# Altium PCB Carte_Alim_2019.PcbDoc (part 2 of 2) (continued)
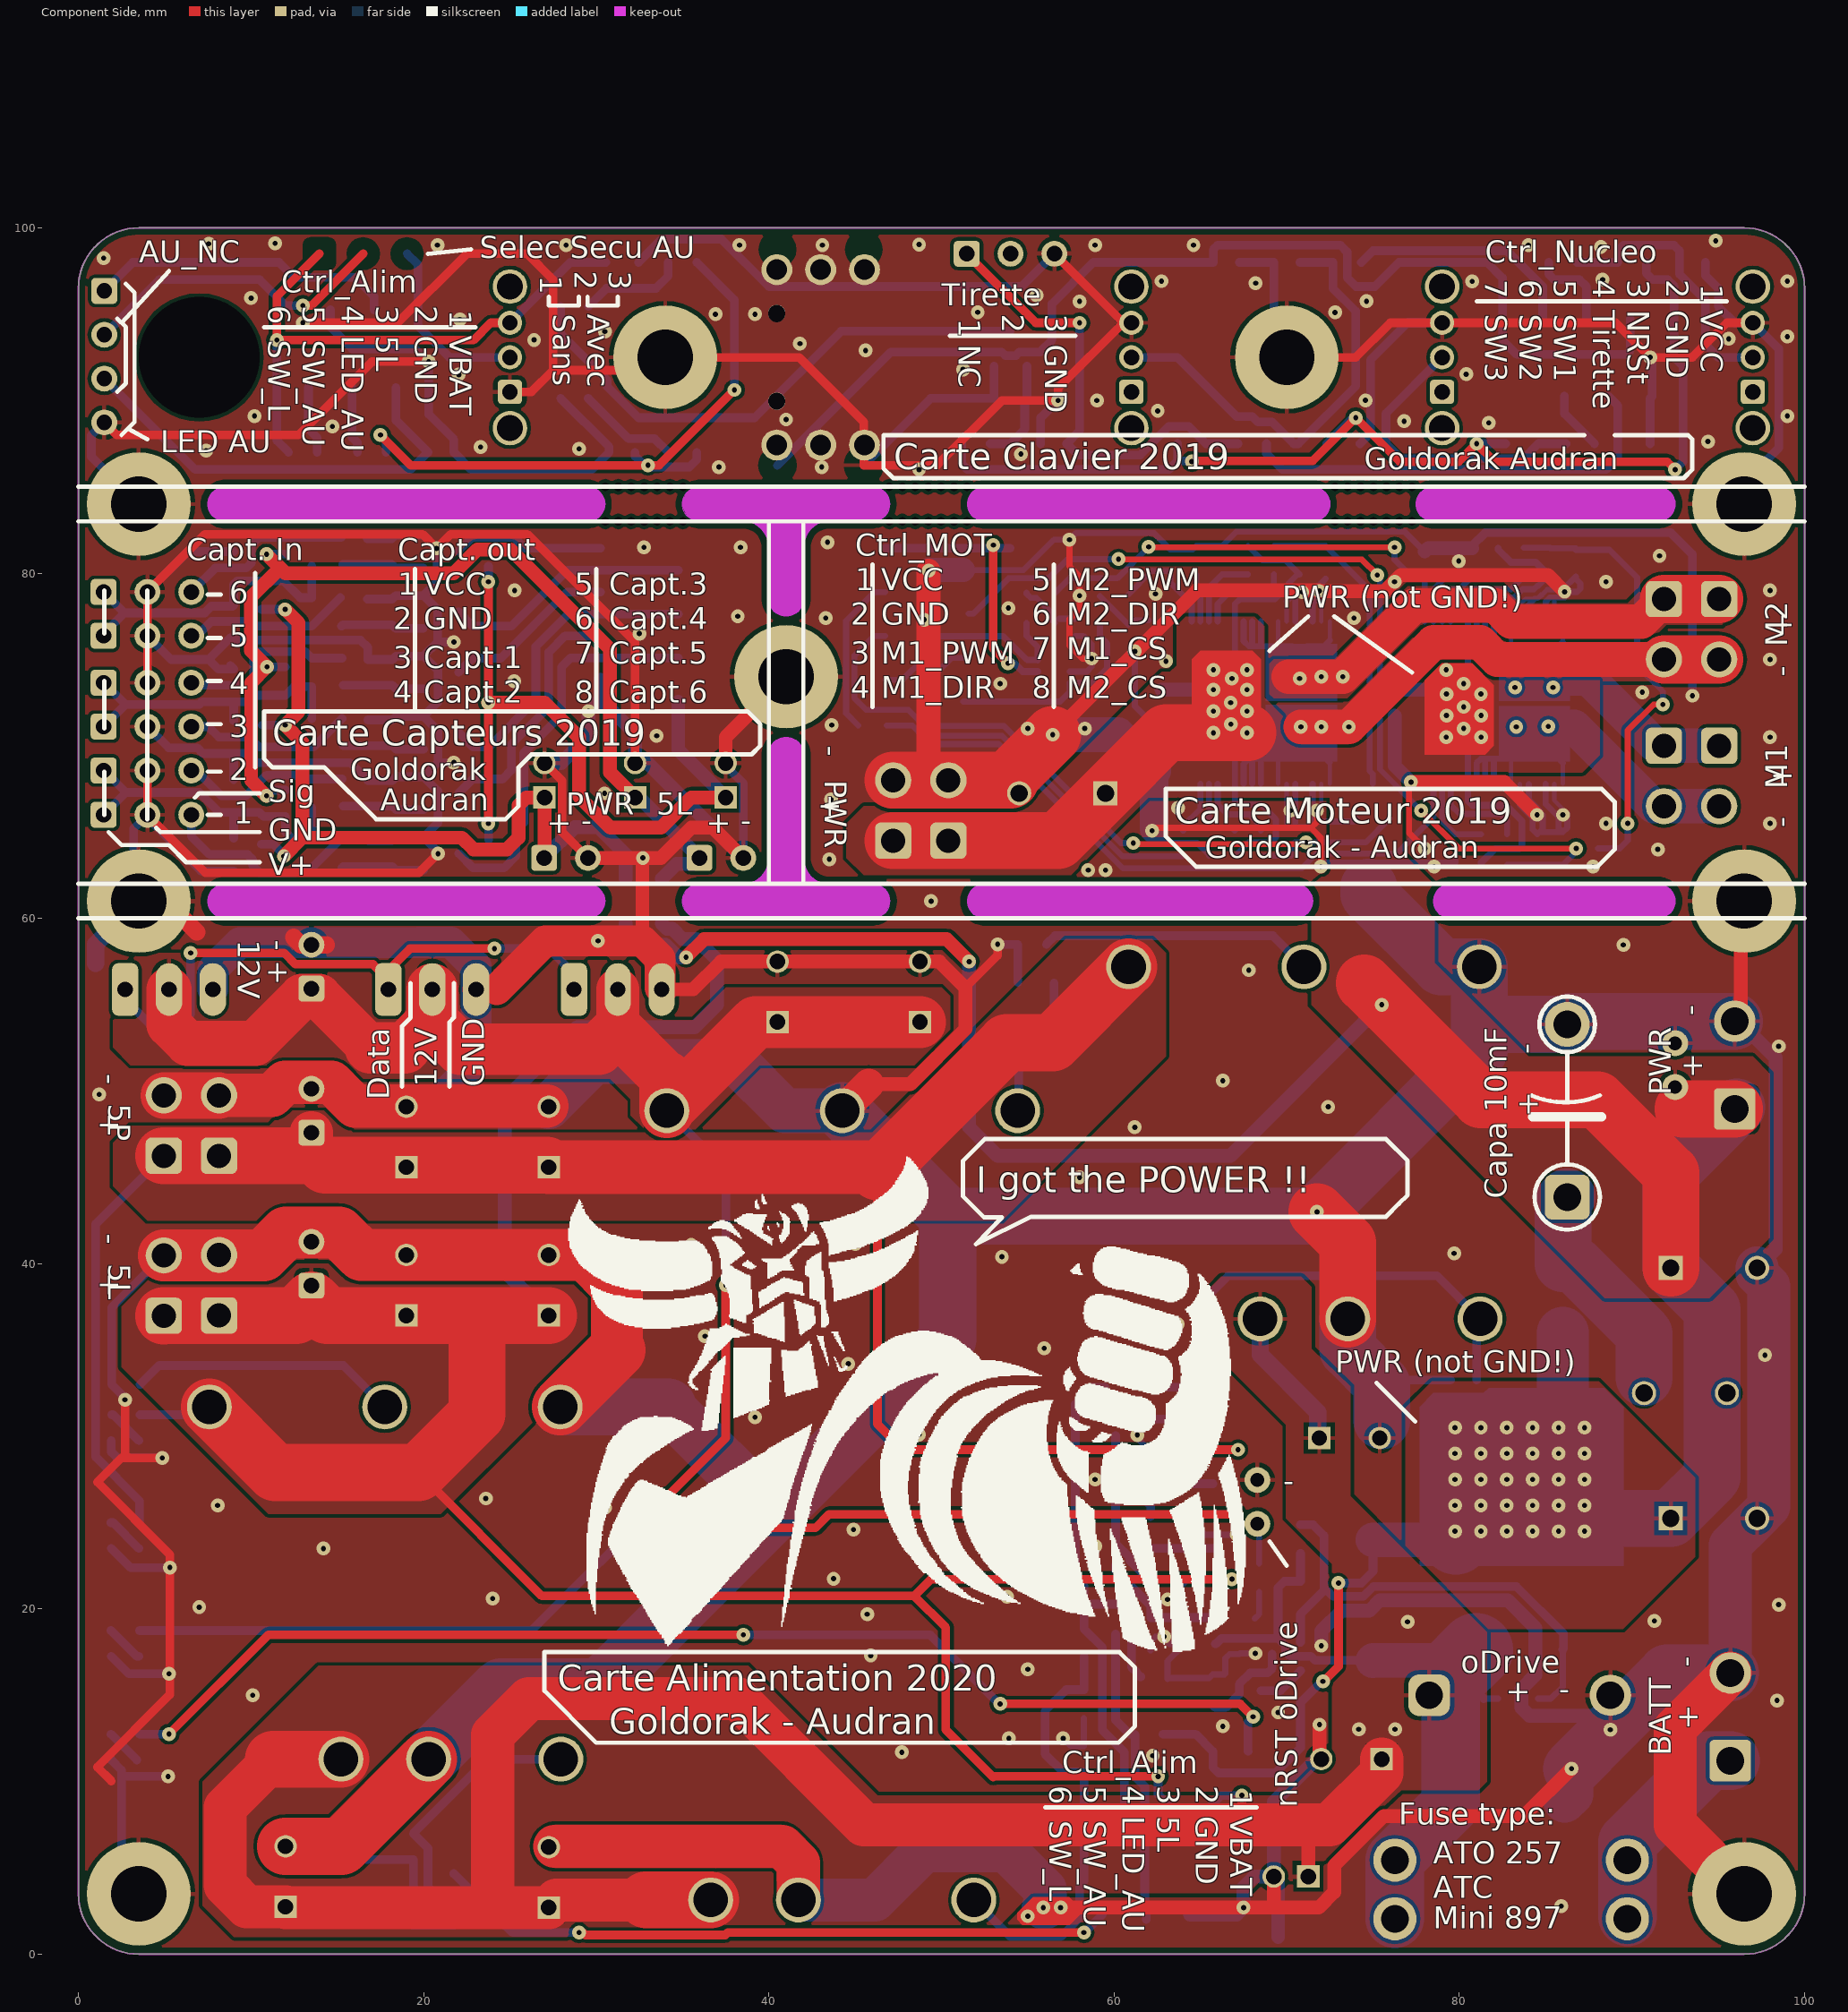
[diagram p0: Component Side view]
## Nets (pads, with @x,y where several pads share a name; then routed paths per layer and width w, separated by ;. In a path a pad name is that pad's centre, name@x,y a point inside that pad or via, vN(x,y) a via of type N, cw(c..) or ccw(c..) an arc to the next point about the centre after c; other vN are vias at no path point) (continued)
NetC38_1: C38.1 Q14.1 R73.2 R76.2 | length 4.7
  Solder Side w0.5: R73.2@15.345,66.5 C38.1@16.77,66.5 18.195,66.5 R76.2@18.27,66.425 18.397,66.297 Q14.1@20.004,66.297
NetC39_1: C39.1 Q15.1 R74.2 R77.2 | length 4.7
  Solder Side w0.5: R74.2@15.345,73.5 C39.1@16.77,73.5 18.195,73.5 R77.2@18.27,73.425 18.398,73.297 Q15.1@20.004,73.297
NetC40_1: C40.1 Q16.1 R75.2 R78.2 | length 4.7
  Solder Side w0.5: R75.2@15.305,80.5 C40.1@16.73,80.5 18.155,80.5 R78.2@18.23,80.425 18.358,80.297 Q16.1@19.964,80.297
NetC44_1: C44.1 R79.1 R82.1 S1.2 | length 16
  Solder Side w0.5: R82.1@86.825,98 R79.1@89.175,98 89.175,98.675 89.5,99 92.425,99 92.75,98.675 C44.1@92.75,98 92.75,97.325 94.25,95.825 94.25,93.255 95.005,92.5 S1.2@97,92.5
NetC45_1: C45.1 R80.1 R83.1 S2.2 | length 17.5
  Solder Side w0.5: S2.2@79,92.5 75.75,89.25 C45.1@75.75,87.5 76.623,86.627 83.702,86.627 84.575,87.5 R83.1@86.175,87.5
NetC46_1: C46.1 R81.1 R84.1 S3.2 | length 26.1
  Solder Side w0.5: S3.2@61,92.5 63.675,92.5 67.101,89.074 68,89.074 68.324,88.75 69.154,88.75 70.404,87.5 R81.1@70.675,87.5 74,90.825 74,95.175 72.675,96.5 R84.1@72.675,98 C46.1@70.75,98
NetC48_1: C48.1 J29.3 R89.1 R90.1 | length 26.8
  Component Side w0.5: 51.46,98.5 55.46,94.5 v1(58,94.5)
  Solder Side w0.5: v1(58,94.5) 58,88.25 C48.1@57.25,87.5 57.904,86.846 61.522,86.846 63.176,88.5 64.325,88.5 R89.1@65.325,87.5 R90.1@67.175,87.5
NetD1_2: D1.2 R7.1 | length 2.1
  Solder Side w0.5: R7.1@1.885,12.75 D1.2@3.385,11.25
NetD3_2: D3.2 R17.1 | length 2.2
  Solder Side w0.5: R17.1@1.885,18.75 3.385,17.25 D3.2@3.51,17.25
NetD5_2: D5.2 R21.2 | length 2.2
  Solder Side w0.5: R21.2@1.885,25 2.01,25 D5.2@3.51,23.5
NetD7_2: D7.2 R24.2 | length 2.2
  Solder Side w0.5: R24.2@1.925,31.25 2.01,31.25 D7.2@3.51,29.75
NetD11_2: D11.2 R86.2 | length 5.9
  Solder Side w0.5: D11.2@29.534,90.125 31.865,87.795 33.38,87.795 R86.2@34.175,87
NetDC1_6: DC1.6 R18.1 | length 4.3
  Solder Side w0.5: DC1.6@54.475,48.925 R18.1@54.475,53.25
NetDC2_4: DC2.4 R22.1 | length 15.9
  Solder Side w0.5: R22.1@56.075,58.5 56.575,59 69.2,59 DC2.4@71,57.2
NetDC3_4: DC3.4 R25.1 | length 15.6
  Solder Side w0.5: R25.1@3.575,33 4.675,34.1 15.35,34.1 DC3.4@17.75,31.7
NetJ19_3: J19.3 R58.1 R61.1 | length 11.7
  Solder Side w0.5: J19.3@6.54,66 6.54,64.76 7.6,63.7 9.8,63.7 10.1,63.4 10.1,63.05 10.5,62.65 12.55,62.65 12.825,62.925 R58.1@13.52,62.925 R61.1@15.17,64.575
NetJ20_3: J20.3 R59.1 R62.1 | length 9.9
  Solder Side w0.5: J20.3@6.54,71.11 7.524,71.11 8.134,70.5 9.9,70.5 10.475,69.925 R59.1@13.52,69.925 13.62,69.925 R62.1@15.27,71.575
NetJ21_3: J21.3 R60.1 R63.1 | length 9.8
  Solder Side w0.5: J21.3@6.54,76.37 6.873,76.37 7.703,77.2 9.8,77.2 10.075,76.925 R60.1@13.52,76.925 R63.1@15.17,78.575
NetJ22_3: J22.3 R70.1 R73.1 | length 9.9
  Solder Side w0.5: J22.3@6.54,68.57 6.83,68.57 8.3,67.1 9.7,67.1 10.9,68.3 12.6,68.3 12.825,68.075 R70.1@13.52,68.075 R73.1@15.27,68.075
NetJ23_3: J23.3 R71.1 R74.1 | length 10.6
  Solder Side w0.5: J23.3@6.54,73.65 6.686,73.504 9.842,73.504 9.89,73.552 9.903,73.552 10.148,73.797 10.148,75.248 10.35,75.45 13.145,75.45 R71.1@13.52,75.075 R74.1@15.27,75.075
NetJ24_3: J24.3 R72.1 R75.1 | length 10.6
  Solder Side w0.5: J24.3@6.54,78.91 7.927,80.297 9.734,80.297 10.027,80.59 10.027,81.627 10.475,82.075 R72.1@13.52,82.075 R75.1@15.23,82.075
NetQ2_3: Q2.3 R4.2 | length 2.8
  Solder Side w0.5: Q2.3@68.516,15.263 69.638,15.263 R4.2@70.8,16.425
NetQ3_1: Q3.1 R10.1 R14.2 | length 3.6
  Solder Side w0.5: Q3.1@62.116,31.003 R10.1@65.722,31.003
NetQ3_3: Q3.3 Q4.2 | length 5.5
  Solder Side w0.5: Q3.3@60.084,30.037 60.084,28.657 61.289,27.453 61.289,26.814 62.116,25.987 Q4.2@62.116,25.348
NetQ4_1: Q4.1 R11.1 R15.2 | length 3.6
  Solder Side w0.5: Q4.1@62.116,27.253 R11.1@65.722,27.253
NetQ4_3: Q4.3 Q5.2 | length 5.5
  Solder Side w0.5: Q4.3@60.084,26.287 60.084,23.791 60.56,23.314 60.573,23.314 60.911,22.976 60.911,22.802 Q5.2@62.116,21.598
NetQ5_1: Q5.1 R12.1 R16.2 | length 3.6
  Solder Side w0.5: Q5.1@62.116,23.503 R12.1@65.722,23.503
NetQ5_3: Q5.3 Q6.1 R8.1 R13.2 | length 7.5
  Solder Side w0.5: Q5.3@60.084,22.537 60.084,22.233 62.116,20.201 Q6.1@62.116,19.502 R8.1@65.728,19.502
NetQ7_15: Q7.15 R33.2 | length 5.7
  Solder Side w0.35: 79.5,66.547 Q7.15@79.5,67.8 ; 79.516,66.547 80.018,66.045 82.368,66.045 82.766,65.648 R33.2@82.766,64.872
NetQ7_16: Q7.16 R37.1 R41.2 | length 4.7
  Solder Side w0.35: Q7.16@79,67.8 79,65.638 R41.2@79.766,64.872 R37.1@81.266,64.872
NetQ7_17: Q7.17 R29.2 | length 38.3
  Solder Side w0.35: R29.2@46.825,71.175 48.312,71.175 49.386,70.102 53.309,70.102 60.51,62.9 70.874,62.9 71.732,63.758 76.368,63.758 78.516,65.906 ; 78.5,65.906 Q7.17@78.5,67.8
NetQ7_20: Q7.20 R27.2 | length 2.9
  Solder Side w0.35: Q7.20@78.5,77.2 78.5,79.059 R27.2@79.241,79.8
NetQ7_21: Q7.21 R38.1 R42.2 | length 5.3
  Solder Side w0.35: Q7.21@79,77.2 79,78.816 79.257,79.073 79.998,79.073 80.725,79.8 R42.2@80.741,79.8 R38.1@82.241,79.8
NetQ7_22: Q7.22 R35.2 | length 6
  Solder Side w0.35: Q7.22@79.5,77.2 79.5,78.3 79.702,78.502 80.102,78.502 80.673,79.073 82.999,79.073 R35.2@83.741,79.815
NetQ8_15: Q8.15 R34.2 | length 4.5
  Solder Side w0.35: Q8.15@66,67.8 66,66.6 66.577,66.023 67.836,66.023 68.5,65.359 R34.2@68.5,65.277 R34.2@68.5,65.075
NetQ8_16: Q8.16 R39.1 R43.2 | length 4.1
  Solder Side w0.35: Q8.16@65.5,67.8 R43.2@65.5,65.277 65.5,65.25 66.825,65.25 R39.1@67,65.075
NetQ8_17: Q8.17 R31.2 | length 3.1
  Solder Side w0.35: R31.2@64,65.075 R31.2@64,65.277 64,65.348 65,66.348 Q8.17@65,67.8
NetQ8_20: Q8.20 R28.2 | length 2.8
  Solder Side w0.35: R28.2@64.75,79.925 64.75,78.966 65,78.716 Q8.20@65,77.2
NetQ8_21: Q8.21 R40.1 R44.2 | length 4.5
  Solder Side w0.35: Q8.21@65.5,77.2 65.5,79.175 R44.2@66.25,79.925 R40.1@67.75,79.925
NetQ8_22: Q8.22 R36.2 | length 5.4
  Solder Side w0.35: Q8.22@66,77.2 66,78.212 66.765,78.977 68.977,78.977 69.25,79.25 R36.2@69.25,79.925
NetQ17_1: Q17.1 R87.2 R88.2 | length 5.9
  Solder Side w0.5: R87.2@52.825,87.5 53.987,87.5 54.825,88.338 R88.2@54.825,90 ; R88.2@54.952,90.128 Q17.1@54.952,91.984
NetQ17_3: Q17.3 S4.2 | length 31.9
  Solder Side w0.5: 27.95,95.456 27.95,93.846 30.623,91.173 30.623,90.823 32.446,89 39.171,89 44.187,94.016 Q17.3@53.987,94.016
NetQ18_3: Q18.3 R91.1 | length 1.6
  Solder Side w0.35: Q18.3@68.156,19.444 68.4,19.688 R91.1@68.4,20.975
NetQ19_1: Q19.1 R102.1 R103.2
NetR6_2: R6.2 R7.2 | length 71
  Component Side w0.5: v1(5.25,12.75) 11,18.5 v1(38.52,18.5) ; v1(53.4,14.5) 67.306,14.5 v1(68.056,13.75)
  Solder Side w0.5: R7.2@3.535,12.75 v1(5.25,12.75) ; v1(38.52,18.5) 49.35,18.5 53.35,14.5 v1(53.4,14.5) ; R6.2@67.775,11.75 67.75,11.775 67.75,13.444 v1(68.056,13.75)
NetR18_2: R18.2 R19.1 | length 3
  Solder Side w0.5: R18.2@56.525,53.25 R19.1@56.525,56.25
NetR85_2: R85.2 S4.1 | length 6.1
  Solder Side w0.5: 29.55,95.456 30.594,96.5 33.463,96.5 34.175,97.212 R85.2@34.175,98
NRST_NUCLEO: C47.1 J27.3 S4.B | length 65.2
  Solder Side w0.5: 40.5,86.25 47.061,92.811 53.486,92.811 53.697,92.6 54.302,92.6 54.513,92.811 55.711,92.811 56.4,93.5 56.4,95.6 58.8,98 C47.1@65.75,98 65.75,98.75 66,99 73.108,99 73.5,98.608 73.5,97.117 74.017,96.6 75.1,96.6 76.5,98 81.6,98 82.5,97.1 82.5,93.5 83.329,92.671 89.671,92.671 89.905,92.905 J27.3@89.905,94.75
nRST_oDrive: J36.1 R91.2 | length 2.2
  Solder Side w0.35: R91.2@68.4,22.625 J36.1@68.4,24.83
PWR: C6.1 C7.1 C20.1 C21.2 C22.2 D12.2 D13.1 FB7.1 J2.1 J12.1 J33.1 J37.1 Q1.4 Q7.13 Q7.24 Q7.37 Q8.13 Q8.24 Q8.37 R2.1 R6.1 R9.2 R37.2 R38.2 R39.2 R40.2 R47.2 R48.2 | length 253.7
  Component Side w0.5: v1(72.1,15.8) 72.125,15.8 73,16.675 v1(73,21.5)
  Component Side w0.8: v1(35.199,57.75) 36.249,58.8 50.3,58.8 v1(51.6,57.5)
  Component Side w3.3: J33.1@47.2,64.5 J12.1@50.4,64.5 56.75,64.5 C20.1@59.5,67.25 63,70.75 v1(65.75,70.75) v1(67.698,70.75) v1@67.75,70.75 ; 74.5,56.25 81.25,49.5 88,49.5 92.25,45.25 C7.1@92.25,39.75 ; 92.96,48.96 J2.1@95.95,48.96
  Solder Side w0.35: R39.2@67,63.628 67.772,64.4 69.1,64.4 69.375,64.675 69.375,64.696 69.374,64.697 69.374,65.731 68.507,66.598 68.302,66.598 68.3,66.6 68.2,66.6 68.198,66.598 67.802,66.598 67.8,66.6 67.7,66.6 67.698,66.598 67.177,66.598 67,66.775 Q8.13@67,67.8 Q8.37@67,72.25 ; Q8.37@67,72.75 Q8.24@67,77.2 67,78.212 67.288,78.5 69.325,78.5 70.125,79.3 70.125,79.421 70.629,79.925 R48.2@70.75,79.925 69.925,80.75 68.575,80.75 R40.2@67.75,81.575 ; 80.5,66.798 Q7.13@80.5,67.8 Q7.37@80.5,72.25 ; Q7.37@80.5,72.75 Q7.24@80.5,77.2 80.5,78.2 80.896,78.596 83.197,78.596 83.667,79.066 84.319,79.066 84.518,79.265 84.565,79.265 85.115,79.815 R47.2@85.241,79.815
  Solder Side w0.4: 80.516,66.798 80.766,66.547 82.708,66.547 83.616,65.64 83.616,64.182 83.482,64.047 82.091,64.047 R37.2@81.266,63.222 ; R38.2@82.241,81.45 82.241,81.375 82.991,80.625 84.431,80.625 R47.2@85.241,79.815
  Solder Side w0.5: R9.2@62.825,12.75 64.725,12.75 R6.1@65.725,11.75 65.725,10.825 66.05,10.5 69.35,10.5 70.8,11.95 70.8,14.581 72.019,15.8 v1(72.1,15.8) ; v1(73,21.5) 74.325,21.5 75,22.175 D13.1@75,24
  Solder Side w0.8: FB7.1@31.7,59.7 31.7,58.7 31.93,58.47 34.025,58.47 34.745,57.75 v1(35.199,57.75) ; v1(51.6,57.5) 51.6,47.9 53.25,46.25 66.75,46.25 v1(75.5,55) ; C22.2@62.75,73.25 v1(65.75,73.25) Q8.37@66,73.25 ; C21.2@76.265,73.25 Q7.37@79.5,73.25 ; J37.1@92.5,50.23 92.5,48.86 94.165,47.195 94.165,47.175
  Solder Side w2: D13.1@75,24 Q1.4@79.8,24
  Solder Side w3: Q1.4@84.75,29.2 86,30.45 D12.2@86,36
  Solder Side w3.3: Q1.4@85.7,25.25 C6.1@92.25,25.25 ; C6.1@92.39,25.39 94.65,27.65 94.65,37.35 C7.1@92.25,39.75 92.25,45.26 94.165,47.175 J2.1@95.95,48.96 J2.1@96.075,49.085
  Solder Side w4: Q1.4@79.8,24 Q1.4@83.5,27.7
  other v1: 79.75,24.5 81.25,24.5 82.75,24.5 84.25,24.5 85.75,24.5 87.25,24.5 79.75,26 81.25,26 82.75,26 84.25,26 85.75,26 87.25,26 79.75,27.5 81.25,27.5 82.75,27.5 84.25,27.5 85.75,27.5 87.25,27.5 79.75,29 81.25,29 82.75,29 84.25,29 85.75,29 87.25,29 79.75,30.5 81.25,30.5 82.75,30.5 84.25,30.5 85.75,30.5 87.25,30.5 79.241,70.5 81.266,70.5 80.25,71 66.765,71.25 79.257,71.75 81.266,71.75 65.75,72 67.698,72 80.25,72.25 66.75,72.5 79.257,73 81.25,73 67.7,73.25 80.25,73.599 66.825,73.9 65.75,74.396 67.698,74.396 79.241,74.396
PWR_CAP: C27.1 FB7.2 J17.1 R93.1 R95.1 R97.1 | length 47.8
  Component Side w0.8: v1(11.9,63.6) 12.975,64.675 ; v1(11.975,77.9) 12.75,77.125 12.75,71.975 v1(11.975,71.2) 12.975,70.2 12.975,64.675 ; J17.1@26.98,63.5 27,63.52 C27.1@27,67 25.95,67 25.5,66.55 25.5,64.675 24.825,64 22.886,64 22.209,64.677 12.977,64.677 12.975,64.675
  Solder Side w0.5: R93.1@10.6,64.3 11.3,64.3 11.9,63.7 v1(11.9,63.6) ; R97.1@10.6,77.9 v1(11.975,77.9) ; R95.1@10.65,71.2 v1(11.975,71.2)
  Solder Side w0.8: J17.1@26.98,63.5 28.757,65.277 30.133,65.277 31.7,63.71 FB7.2@31.7,62.3
SR_OD: C49.2 Q2.1 Q18.1 R3.2 R5.1 | length 9.7
  Solder Side w0.5: R3.2@61.625,14.5 63.3,14.5 64.9,14.5 65.647,14.5 65.85,14.297 Q2.1@66.484,14.298 67.25,15.064 67.25,15.65 67.89,16.29 68.89,16.29 69.153,16.553 Q18.1@69.153,17.38
SW_1: J27.5 R82.2 | length 5
  Solder Side w0.5: R82.2@85.175,98 85.175,97.325 85.5,97 86.965,97 87.365,96.6 J27.5@87.365,94.75
SW_2: J27.6 R83.2 | length 3.5
  Solder Side w0.5: J27.6@86.095,90.25 86.095,89.23 R83.2@87.825,87.5
SW_3: J27.7 R84.2 | length 13.5
  Solder Side w0.5: R84.2@74.325,98 75,98.675 82.75,98.675 84.825,96.6 J27.7@84.825,94.75
SW_AU: C50.1 D2.1 D4.1 J3.5 J26.5 J28.1 R3.1 R102.2 | length 61
  Solder Side w0.5: J28.1@1.5,91.27 6.77,86 19.25,86 C50.1@20.25,87 18.405,88.845 J26.5@18.405,90.75 ; D4.1@59.475,32.85 58.75,32.85 57.75,31.85 57.75,21.834 58.25,21.334 D2.1@58.25,20.275 ; J3.5@60.595,6.8 60.595,11.705 59.325,12.975 59.325,17.775 58.25,18.85 D2.1@58.25,20.275 ; R3.1@61.55,16.075 61.5,16.075 61.325,16.25 61.325,16.3 61,16.625 61,19.495 60.22,20.275 D2.1@58.25,20.275
SW_L: D6.1 J3.6 J26.6 R101.1 S5.2 | length 49.8
  Component Side w0.5: v1@29.223,1.25 29.36,1.113 37.47,1.113 37.607,1.25 v1(58.25,1.25)
  Solder Side w0.5: 19.04,98.5 19.675,97.865 J26.6@19.675,95.25 19.675,94.325 21.5,92.5 S5.2@25,92.5 ; D6.1@21.75,4.665 25.165,1.25 v1(29,1.25) ; v1(58.25,1.25) 58.275,1.25 J3.6@59.325,2.3
SW_TIRETTE: J27.4 R90.2 | length 25.4
  Solder Side w0.5: R90.2@68.825,87.5 68.825,86.925 69.75,86 88.5,86 89.175,86.675 89.175,89.71 J27.4@88.635,90.25
VBATT: C1.2 C2.1 C3.1 C4.2 C8.1 C12.1 C16.1 D13.2 DC1.1 DC2.1 DC3.1 DT2.2 F1.2 F1.4 J3.1 J26.1 pad.0@78.25,15 Q1.3 R1.2 R8.2 R98.1 Z1.2 | length 170
  Component Side w0.5: 67.4,7.5 v1(67.4,9.2)
  Component Side w0.8: C3.1@71.25,4.5 71.25,6.25
  Component Side w2.5: 11.3,11.3 8.5,8.5 8.5,4 9.75,2.75 C16.1@12,2.75 ; C16.1@12,2.7 23.7,2.7 ; 32.9,3.14 27.69,3.14 C8.1@27.25,2.7 23.7,2.7 ; C2.1@75.5,11.3 75.5,10.5 72.5,7.5 67.4,7.5 45.5,7.5 38.2,14.8 26.1,14.8 24,12.7 24,3 23.7,2.7
  Component Side w3.3: 11.3,11.3 DC3.1@15.21,11.3 ; 32.9,3.14 DC1.1@36.63,3.14
  Solder Side w0.35: 81.423,14.8 Z1.2@82.25,14.8
  Solder Side w0.5: J26.1@13.325,90.75 13.325,88.358 13.825,87.858 R98.1@13.825,87 ; J3.1@65.675,6.8 65.675,8.658 66.217,9.2 v1(67.4,9.2) ; R8.2@65.85,17.975 65.9,17.975 66.225,18.3 69.498,18.3 ; C1.2@70.772,21.6 70.772,21.598 69.863,21.598 69.498,21.233 69.498,18.3 ; C1.2@70.8,21.6 R1.2@70.8,23.225 ; D13.2@74.5,17.014 71.644,17.014 71.408,17.25 70.192,17.25 69.93,17.512 69.93,17.869 69.498,18.3 ; Q1.3@80.96,17.6 80.96,15.263 81.423,14.8
  Solder Side w1: DC2.1@68.46,36.8 68.46,34.736 71.79,31.406 C12.1@71.79,29.9
  Solder Side w2: D13.2@75,17 75.025,17.025 78.615,17.025 79.5,16.14
  Solder Side w3.4: F1.4@76.265,2.05 F1.2@76.265,5.45 79.5,8.685 DT2.2@79.5,10.75 79.5,16.14
  Solder Side w4.3: 79.5,16.14 Q1.3@80.96,17.6
  other v1: 74.175,13.025 76.275,13.025 77,19.25
VBATT_CLAV: C42.2 R98.2 R100.1 S5.3 | length 33.7
  Component Side w0.5: 13.96,98.5 11.5,96.04 v1(11.5,93.5) 22.892,93.5 23.892,94.5 S5.3@25,94.5
  Solder Side w0.5: v1(11.5,93.5) 11.5,87.675 R98.2@12.175,87 ; S5.3@25,94.5 28.5,98 C42.2@30.55,98
pads on no net: D14.1 D14.4 Q7.1 Q7.5 Q7.9 Q7.14 Q7.18 Q7.23 Q7.28 Q7.32 Q7.36 Q8.1 Q8.5 Q8.9 Q8.14 Q8.18 Q8.23 Q8.28 Q8.32 Q8.36 S1.1 S1.None S2.1 S2.None S3.1 S3.None S4.3 S4.4 S4.MH1 S4.MH2 S5.None

## Polygon pours and split planes (outlines as drawn)
GND on Solder Side "GND_Bot" (solid, pour order 46): 100,0 0,0 0,100 100,100
MOT1_P on Solder Side "MOT1_P_bot" (solid, pour order 44): 83,72.5 82.5,72.5 82.25,72.75 82.25,75 82,75.25 81.5,75.25 81,75.25 80.75,75.5 80.75,78.25 83.25,78.25 83.25,76.25 85.707,76.25 85.707,78.25 86.25,78.25 86.5,78 86.5,76 88,74.5 88,72.5 82.5,72.5
MOT2_N on Solder Side "MOT2_N_bot" (solid, pour order 41): 69.5,72.5 69,72.5 68.75,72.25 68.75,70 68.5,69.75 68,69.75 67.5,69.75 67.25,69.5 67.25,66.75 69.75,66.75 69.75,68.75 72.207,68.75 72.207,66.75 72.75,66.75 73,67 73,69 74.5,70.5 74.5,72.5 69,72.5
PWR on Solder Side "PWR_1" (solid, pour order 32): 98.25,51.25 87.485,51.25 81.25,45.015 81.25,40 81.25,35.275 72.6,26.625 72.6,21.263 73.894,19.97 89.397,19.97 97.927,28.5 98.25,28.823
VBATT on Solder Side "VBATT_1" (solid, pour order 31): 69.952,0 84.61,0 84.5,9.75 84.5,19.4 83.75,20.15 74.33,20.15 72.653,18.472 72.653,11 69.952,8.3
BATT_P on Solder Side "BATT_P" (solid, pour order 29): 88,8.75 88.099,0 100,0 100,13.75 93,13.75
MOT2_P on Solder Side "MOT2_P_bot" (solid, pour order 42): 69.5,72.5 69,72.5 68.75,72.75 68.75,75 68.5,75.25 68,75.25 67.5,75.25 67.25,75.5 67.25,78.25 69.75,78.25 69.75,76.25 72.207,76.25 72.207,78.25 72.75,78.25 73,78 73,76 74.5,74.5 74.5,72.5 69,72.5
MOT1_N on Solder Side "MOT1_N_bot" (solid, pour order 43): 83,72.5 82.5,72.5 82.25,72.25 82.25,70 82,69.75 81.5,69.75 81,69.75 80.75,69.5 80.75,66.75 83.25,66.75 83.25,68.75 85.707,68.75 85.707,66.75 86.25,66.75 86.5,67 86.5,69 88,70.5 88,72.5 82.5,72.5
GND on Component Side "GND_Top" (solid, pour order 45): 100,0 0,0 0,100 100,100
VBATT on Component Side "VBATT_2" (solid, pour order 30): 71.435,38.65 70.835,39.25 66.2,39.25 65.6,38.65 65.6,35.025 69.965,30.66 69.965,25.252 72.625,22.592 72.625,11.9 69.925,9.2 62.4,9.2 46.3,9.2 38.8,16.7 13.9,16.7 7.2,10 7.2,2.8 9,1 37.2,1 46.6,1 52.7,1 55.2,3.5 67.75,3.5 68.5,4.25 71.074,4.25 76.639,9.5 79.2,9.5 81.1,9.5 81.6,10 81.6,18.65 73.7,26.55 73.7,32.89 71.435,35.079
PWR on Component Side "PWR_4" (solid, pour order 35): 93.65,27.6 88.075,33.175 78.4,33.175 76.875,31.65 76.875,23.551 81.576,18.85 89.475,18.85 93.65,23.025
12V on Component Side "12V_1" (solid, pour order 37): 2,54.5 2,52.525 3.025,51.5 3,51.5 15.433,51.5 16.223,50.71 30.8,50.71 32,49.51 32,48.586 33.503,47.084 35.034,47.084 39.45,51.5 47.5,51.5 48.45,51.5 50.5,53.55 50.5,55.5 50,56 37.514,56 35.614,54.1 33.866,54.1 32.966,55 32.966,56.831 31.798,58 3.5,58 2,56.5 2,52.5
5P on Component Side "5P_1" (solid, pour order 36): 2,47 2,44.5 4,42.5 53.5,42.5 63,52 63,58 62.2,58.8 57.189,58.8 45.979,47.59 15.909,47.59 14.639,48.86 11.923,48.86 11.063,48 3.805,48 3,48
5L on Component Side "5L_1" (solid, pour order 38): 2.5,37.5 2.5,34 11,25.5 20.653,25.5 21,25.5 30,34.5 30,38.675 28.675,40 5,40
PWR on Component Side "PWR_2" (solid, pour order 33): 98,51 98,41.5 94.5,38 91,38 88.424,38 71.424,55 71.424,62 78.568,62 78.568,57.432 84,52 97,52
MOT2_P on Component Side "MOT2_P" (solid, pour order 39): 69.25,75 69,74.75 69,73 69.25,72.75 73.25,72.75 73.5,72.75 77.5,76.75 77.75,77 81.75,77 82.5,76.25 91.25,76.25 92,77 95.25,77 96.25,78 96.25,79 95.5,79.75 91.25,79.75 89.75,78.25 84.25,78.25 83.5,78.25 82.5,79.25 77,79.25 72.75,75
MOT2_N on Component Side "MOT2_N" (solid, pour order 40): 69.5,72.5 69.25,72.25 69.25,70.75 70,70 74,70 79,75 80.75,75 82,73.75 95.5,73.75 96.25,74.5 96.25,75.5 95.5,76.25 77,76.25 73.25,72.5
PWR on Component Side "PWR_3" (solid, pour order 34): 71.5,62 78.5,62 76.696,63.804 76.696,68.196 76.95,68.45 87.125,68.45 88.125,69.45 88.125,75.5 78.5,75.5 73,70 71.5,70 68.704,72.796 68.704,76.921 68.15,77.475 63.95,77.475 63.625,77.15 63.625,74.659 63.241,74.275 62.762,74.275 54.987,66.5 45.5,66.5 44.5,65.5 44.5,63.5 45.5,62.5 57.494,62.5 61.994,67 72.5,67 72.5,62.77

## Keep-outs
Keep-Out Layer:
  lines w0.1: 0,3.5 ccw(c3.5,3.5) 3.5,0 96.5,0 ccw(c96.5,3.5) 100,3.5 100,96.5 ccw(c96.5,96.5) 96.5,100 3.5,100 ccw(c3.5,96.5) 0,96.5 0,3.5
  lines w2: 8.5,61 29.5,61 ; 8.5,84 29.5,84 ; 36,61 46,61 ; 36,84 46,84 ; 38.5,61 ccw(c38.5,63.5) 41,63.5 ; 38.5,84 cw(c38.5,81.5) 41,81.5 ; 41,69.5 41,63.5 ; 41,78.5 41,81.5 ; 43.5,61 cw(c43.5,63.5) 41,63.5 ; 43.5,84 ccw(c43.5,81.5) 41,81.5 ; 52.5,61 70.5,61 ; 52.5,84 71.5,84 ; 78.5,84 91.5,84 ; 79.5,61 91.5,61

## Other copper
Component Side:
  region net GND: 57.406,3.296 55.296,3.296 54.4,2.4 54.4,2 54.691,1.709 57.422,1.709 58.016,2.303 58.016,2.686 57.406,3.296
  region net PWR: 82,73.5 80.732,74.768 78.979,74.768 78,73.788 78,69.5 81.5,69.5 82,70
  region net PWR: 68.5,75 68,75.5 65,75.5 64.5,75 64.5,70.39 65,69.89 68,69.89 68.5,70.39
Solder Side:
  region net PWR: 77.7,22.5 77.7,31.7 78.5,32.5 81.4,32.5 81.7,32.8 88.4,32.8 89.5,31.7 89.5,22.5
  region net PWR: 89.375,22.4
  region net MOT1_N: 82.3,72.3 82.3,69.1 86.4,69.1 86.4,72.3
  region net MOT1_P: 82.3,72.6 82.3,75.9 86.4,75.9 86.4,72.6
  region net MOT2_P: 68.8,72.6 68.8,75.9 72.9,75.9 72.9,72.6
  region net MOT2_N: 68.8,72.361 68.8,69.1 72.9,69.1 72.9,72.361

## Silkscreen, mask and mechanical layers (free items; w line width, h text height)
Top Overlay:
  drawing of 163 lines, arcs and shapes, not listed
  text "Selec Secu AU" at 23.25,98.25 h1.27
  text "AU_NC" at 3.5,98 h1.27
  text "Ctrl_Nucleo" at 81.5,98 h1.27
  text "2" at 28.75,97.5 h1.27 r270
  text "3" at 30.75,97.5 h1.27 r270
  text "1" at 26.75,97.25 h1.27 r270
  text "7" at 81.5,97 h1.27 r270
  text "6" at 83.5,97 h1.27 r270
  text "5" at 85.5,97 h1.27 r270
  text "4" at 87.75,97 h1.27 r270
  text "3" at 89.75,97 h1.27 r270
  text "2" at 92,97 h1.27 r270
  text "1" at 94,96.75 h1.27 r270
  text "Ctrl_Alim" at 11.75,96.25 h1.27
  text "6" at 11,95.5 h1.27 r270
  text "5" at 13,95.5 h1.27 r270
  text "4" at 15.25,95.5 h1.27 r270
  text "3" at 17.25,95.5 h1.27 r270
  text "2" at 19.5,95.5 h1.27 r270
  text "Tirette" at 50,95.5 h1.27
  text "1" at 21.5,95.25 h1.27 r270
  text "Tirette" at 87.75,95.25 h1.27 r270
  text "NRSt" at 89.75,95.25 h1.27 r270
  text "GND" at 92,95.25 h1.27 r270
  text "VCC" at 94,95.25 h1.27 r270
  text "Sans" at 27.5,95 h1.27 r270
  text "Avec" at 29.5,95 h1.27 r270
  text "2" at 53.5,95 h1.27 r270
  text "3" at 56,95 h1.27 r270
  text "SW3" at 81.5,95 h1.27 r270
  text "SW2" at 83.5,95 h1.27 r270
  text "SW1" at 85.5,95 h1.27 r270
  text "1" at 51,94.75 h1.27 r270
  text "LED_AU" at 15.25,93.75 h1.27 r270
  text "5L" at 17.25,93.75 h1.27 r270
  text "GND" at 19.5,93.75 h1.27 r270
  text "VBAT" at 21.5,93.75 h1.27 r270
  text "SW_L" at 11,93.5 h1.27 r270
  text "SW_AU" at 13,93.5 h1.27 r270
  text "NC" at 51,93.25 h1.27 r270
  text "GND" at 56,93.25 h1.27 r270
  text "LED AU" at 4.75,87 h1.27
  text "Carte Clavier 2019" at 47.231,86 h1.52
  text "Goldorak Audran" at 74.5,86 h1.27
  text "Ctrl_MOT" at 45,81 h1.27
  text "Capt. In" at 6.25,80.75 h1.27
  text "Capt. out" at 18.5,80.75 h1.27
  text "1" at 45,79 h1.27
  text "VCC" at 46.5,79 h1.27
  text "5" at 55.25,79 h1.27
  text "M2_PWM" at 57.25,79 h1.27
  text "1" at 18.5,78.75 h1.27
  text "VCC" at 20,78.75 h1.27
  text "5" at 28.75,78.75 h1.27
  text "Capt.3" at 30.75,78.75 h1.27
  text "6" at 8.75,78.25 h1.27
  text "PWR (not GND!)" at 69.75,78 h1.27
  text "2" at 44.75,77 h1.27
  text "GND" at 46.5,77 h1.27
  text "6" at 55.25,77 h1.27
  text "M2_DIR" at 57.25,77 h1.27
  text "2" at 18.25,76.75 h1.27
  text "GND" at 20,76.75 h1.27
  text "6" at 28.75,76.75 h1.27
  text "Capt.4" at 30.75,76.75 h1.27
  text "5" at 8.75,75.75 h1.27
  text "M2" at 99,75.75 h1.27 r90
  text "7" at 55.25,75 h1.27
  text "M1_CS" at 57.25,75 h1.27
  text "7" at 28.75,74.75 h1.27
  text "Capt.5" at 30.75,74.75 h1.27
  text "3" at 44.75,74.75 h1.27
  text "M1_PWM" at 46.5,74.75 h1.27
  text "3" at 18.25,74.5 h1.27
  text "Capt.1" at 20,74.5 h1.27
  text "-   +" at 99.25,74 h1.27 r90
  text "4" at 8.75,73 h1.27
  text "4" at 44.75,72.75 h1.27
  text "M1_DIR" at 46.5,72.75 h1.27
  text "8" at 55.25,72.75 h1.27
  text "M2_CS" at 57.25,72.75 h1.27
  text "4" at 18.25,72.5 h1.27
  text "Capt.2" at 20,72.5 h1.27
  text "8" at 28.75,72.5 h1.27
  text "Capt.6" at 30.75,72.5 h1.27
  text "3" at 8.75,70.5 h1.27
  text "Carte Capteurs 2019" at 11.25,70 h1.52
  text "-    +" at 43,70 h1.27 r270
  text "2" at 8.75,68 h1.27
  text "Goldorak" at 15.75,68 h1.27
  text "PWR" at 43.25,68 h1.27 r270
  text "M1" at 99,67.5 h1.27 r90
  text "Sig" at 11,66.75 h1.27
  text "Audran" at 17.5,66.25 h1.27
  text "PWR" at 28.25,66 h1.27
  text "- +" at 29.75,66 h1.27 r180
  text "5L" at 33.5,66 h1.27
  text "- +" at 39,66 h1.27 r180
  text "1" at 9,65.5 h1.27
  text "Carte Moteur 2019" at 63.5,65.5 h1.52
  text "-   +" at 99.25,65.25 h1.27 r90
  text "GND" at 11,64.5 h1.27
  text "Goldorak - Audran" at 65.25,63.5 h1.27
  text "V+" at 11,62.5 h1.27
  text "12V" at 9.25,58.75 h1.27 r270
  text "- +" at 11,58.75 h1.27 r270
  text "-    +" at 93,55 h1.27 r270
  text "-    +" at 83.5,52.75 h1.27 r270
  text "-   +" at 1.25,51 h1.27 r270
  text "12V" at 20.75,50.25 h1.27 r90
  text "GND" at 23.5,50.25 h1.27 r90
  text "PWR" at 92.25,49.75 h1.27 r90
  text "Data" at 18,49.5 h1.27 r90
  text "5P" at 1.75,49.25 h1.27 r270
  text "I got the POWER !!" at 52,44.13 h1.52
  text "Capa 10mF" at 82.75,43.75 h1.27 r90
  text "-   +" at 1.25,41.75 h1.27 r270
  text "5L" at 1.75,40 h1.27 r270
  text "PWR (not GND!)" at 72.8,33.7 h1.27
  text "-" at 69.8,26.8 h1.27
  text "-    +" at 92.75,17.25 h1.27 r270
  text "oDrive" at 80.1,16.3 h1.27
  text "-   +" at 86.4,15.7 h1.27 r180
  text "Carte Alimentation 2020" at 27.75,15.25 h1.52
  text "Goldorak - Audran" at 30.75,12.75 h1.52
  text "BATT" at 92.25,11.5 h1.27 r90
  text "Ctrl_Alim" at 57,10.5 h1.27
  text "6" at 56.25,9.75 h1.27 r270
  text "5" at 58.25,9.75 h1.27 r270
  text "4" at 60.5,9.75 h1.27 r270
  text "3" at 62.5,9.75 h1.27 r270
  text "2" at 64.75,9.75 h1.27 r270
  text "1" at 66.75,9.5 h1.27 r270
  text "nRST oDrive" at 70.6,8.5 h1.27 r90
  text "LED_AU" at 60.5,8 h1.27 r270
  text "5L" at 62.5,8 h1.27 r270
  text "GND" at 64.75,8 h1.27 r270
  text "VBAT" at 66.75,8 h1.27 r270
  text "SW_L" at 56.25,7.75 h1.27 r270
  text "SW_AU" at 58.25,7.75 h1.27 r270
  text "Fuse type:" at 76.5,7.5 h1.27
  text "ATO 257" at 78.5,5.25 h1.27
  text "ATC" at 78.5,3.25 h1.27
  text "Mini 897" at 78.5,1.5 h1.27
Bottom Overlay:
  text "SW_L" at 27.5,98.25 h1.27
  text "AU" at 4.25,98 h1.27
  text "SW3" at 63.15,98 h1.27
  text "SW2" at 80.5,98 h1.27
  text "SW1" at 98.25,98 h1.27
  text "Nucleo" at 82.5,96.25 h1.27 r90
  text "3V" at 29.8,93.509 h1.27
  text "RESET" at 49.5,90 h1.27 r270
  text "off on" at 63.75,89.75 h1.27 r270
  text "off on" at 75.25,89.75 h1.27 r270
  text "Ctrl Alim" at 21.324,88 h1.27 r270
  text "5V" at 29.75,88 h1.27
  text "Snap" at 34.25,83.678 h0.8
  text "Snap" at 50.75,83.678 h0.8
  text "Snap" at 76.5,83.614 h0.8
  text "+   -" at 99.5,80.25 h1.4 r90
  text "+   -" at 90.5,80 h1.4 r90
  text "M2" at 90.25,77.75 h1.27 r90
  text "M2" at 99.5,77.75 h1.27 r90
  text "C_Mot" at 43,76.75 h1.27 r270
  text "Capt. Out" at 26.5,71.5 h1.27 r270
  text "+   -" at 90.5,71.5 h1.4 r90
  text "+   -" at 99.5,71.5 h1.4 r90
  text "-" at 51.6,69.75 h1.4 r270
  text "M1" at 90.25,69.5 h1.27 r90
  text "M1" at 99.5,69.25 h1.27 r90
  text "-" at 42.75,69 h1.4 r270
  text "+" at 33.5,65.1 h1.4 r270
  text "+" at 24.5,64.77 h1.4 r270
  text "PWR" at 42.75,64.5 h1.4 r270
  text "5 B" at 34.406,63.457 h1.27
  text "+" at 42.75,62.75 h1.4 r270
  text "+" at 52,62.75 h1.4 r270
  text "PWR -  +" at 90.65,58.5 h1.4 r90
  text "12V" at 10.5,56 h1.4 r270
  text "+" at 10.5,54 h1.4 r270
  text "5P" at 10,48.5 h1.4 r270
  text "5P" at 0.5,47.25 h1.27 r270
  text "+" at 10,46 h1.4 r270
  text "+   -" at 0.5,45 h1.4 r270
  text "5L" at 10,39 h1.4 r270
  text "5L" at 0.5,38 h1.27 r270
  text "+" at 10,36.5 h1.4 r270
  text "+   -" at 0.5,35.5 h1.4 r270
  text "5L" at 4,27 h1.4
  text "BATT-   +" at 90.5,22.894 h1.52 r90
  text "5P" at 4,20.703 h1.4
  text "12V" at 4.5,14.797 h1.4
  text "PWR" at 4.5,9 h1.4
  text "Ctrl Alim" at 69.5,9 h1.27
Top Solder:
  region: 88.25,32.75 80.25,32.75 77.5,30 77.5,23.5 80.25,20.75 88.25,20.75 91,23.5 91,30
  region: 88.225,73.831 88.225,69.55 87.075,68.4 75.725,68.4 74.975,69.15 74.975,70.775 79,74.8 80.7,74.8 81.7,73.8 82.7,73.8 82.7,71 83.15,70.55 85.387,70.562 85.975,71.15 85.975,73.831
  region: 68.149,77.477 64.949,77.477 63.625,76.154 63.625,73.1 61.724,71.199 61.724,69.927 62.399,69.252 69.199,69.252 69.724,69.778 69.724,71.777 68.703,72.798 68.703,76.923
  text "sig on outside for Hall" at 4.975,101.025 h1.52 r95
Mechanical 1:
  lines w0.1: -33.75,266.475 cw(c-30.25,266.475) -30.25,269.975 ; 0,3.5 ccw(c3.5,3.5) 3.5,0 96.5,0 ccw(c96.5,3.5) 100,3.5 100,96.5 ccw(c96.5,96.5) 96.5,100 3.5,100 ccw(c3.5,96.5) 0,96.5 0,3.5
Mechanical 14:
  lines w2: 8.5,61 29.5,61 ; 8.5,84 29.5,84 ; 36,61 46,61 ; 36,84 46,84 ; 38.5,61 ccw(c38.5,63.5) 41,63.5 ; 38.5,84 cw(c38.5,81.5) 41,81.5 ; 41,69.5 41,63.5 ; 41,78.5 41,81.5 ; 43.5,61 cw(c43.5,63.5) 41,63.5 ; 43.5,84 ccw(c43.5,81.5) 41,81.5 ; 52.5,61 70.5,61 ; 52.5,84 71.5,84 ; 78.5,84 91.5,84 ; 79.5,61 91.5,61

## Text inside footprints (layer, text, board x,y; h text height)
C2: Bottom Overlay "+" at 77.75,13.75 h1.5 r180
C3: Bottom Overlay "+" at 72.3,6.7 h1 r180
C5: Bottom Overlay "+" at 87.05,37.46 h1.5 r90
C6: Bottom Overlay "+" at 89.45,24.5 h1.5
C7: Bottom Overlay "+" at 89.45,39 h1.5
C8: Bottom Overlay "+" at 27.95,0.15 h1.5 r90
C9: Bottom Overlay "+" at 41.2,51.45 h1.5 r90
C10: Bottom Overlay "+" at 49.45,51.45 h1.5 r90
C12: Bottom Overlay "+" at 69.8,31.1 h1.5
C13: Bottom Overlay "+" at 19.7,43.04 h1.5 r90
C14: Bottom Overlay "+" at 27.95,43.04 h1.5 r90
C16: Bottom Overlay "+" at 12.7,0.2 h1.5 r90
C17: Bottom Overlay "+" at 27.95,34.45 h1.5 r90
C18: Bottom Overlay "+" at 19.7,34.45 h1.5 r90
C20: Bottom Overlay "+" at 62.3,68 h1.5 r180
J3: Bottom Overlay "1" at 67.81,7.65 h1 r180; Bottom Overlay "6" at 56.785,2.899 h1 r180
J15: Bottom Overlay "8" at 50.778,69.888 h1 r270; Bottom Overlay "1" at 45.9,83.58 h1 r270
J16: Bottom Overlay "8" at 30.722,84.112 h1 r90; Bottom Overlay "1" at 35.6,70.42 h1 r90
J26: Bottom Overlay "1" at 11.19,89.9 h1
J27: Bottom Overlay "1" at 94.58,95.6 h1 r180